# KiCad board TPS.kicad_pcb
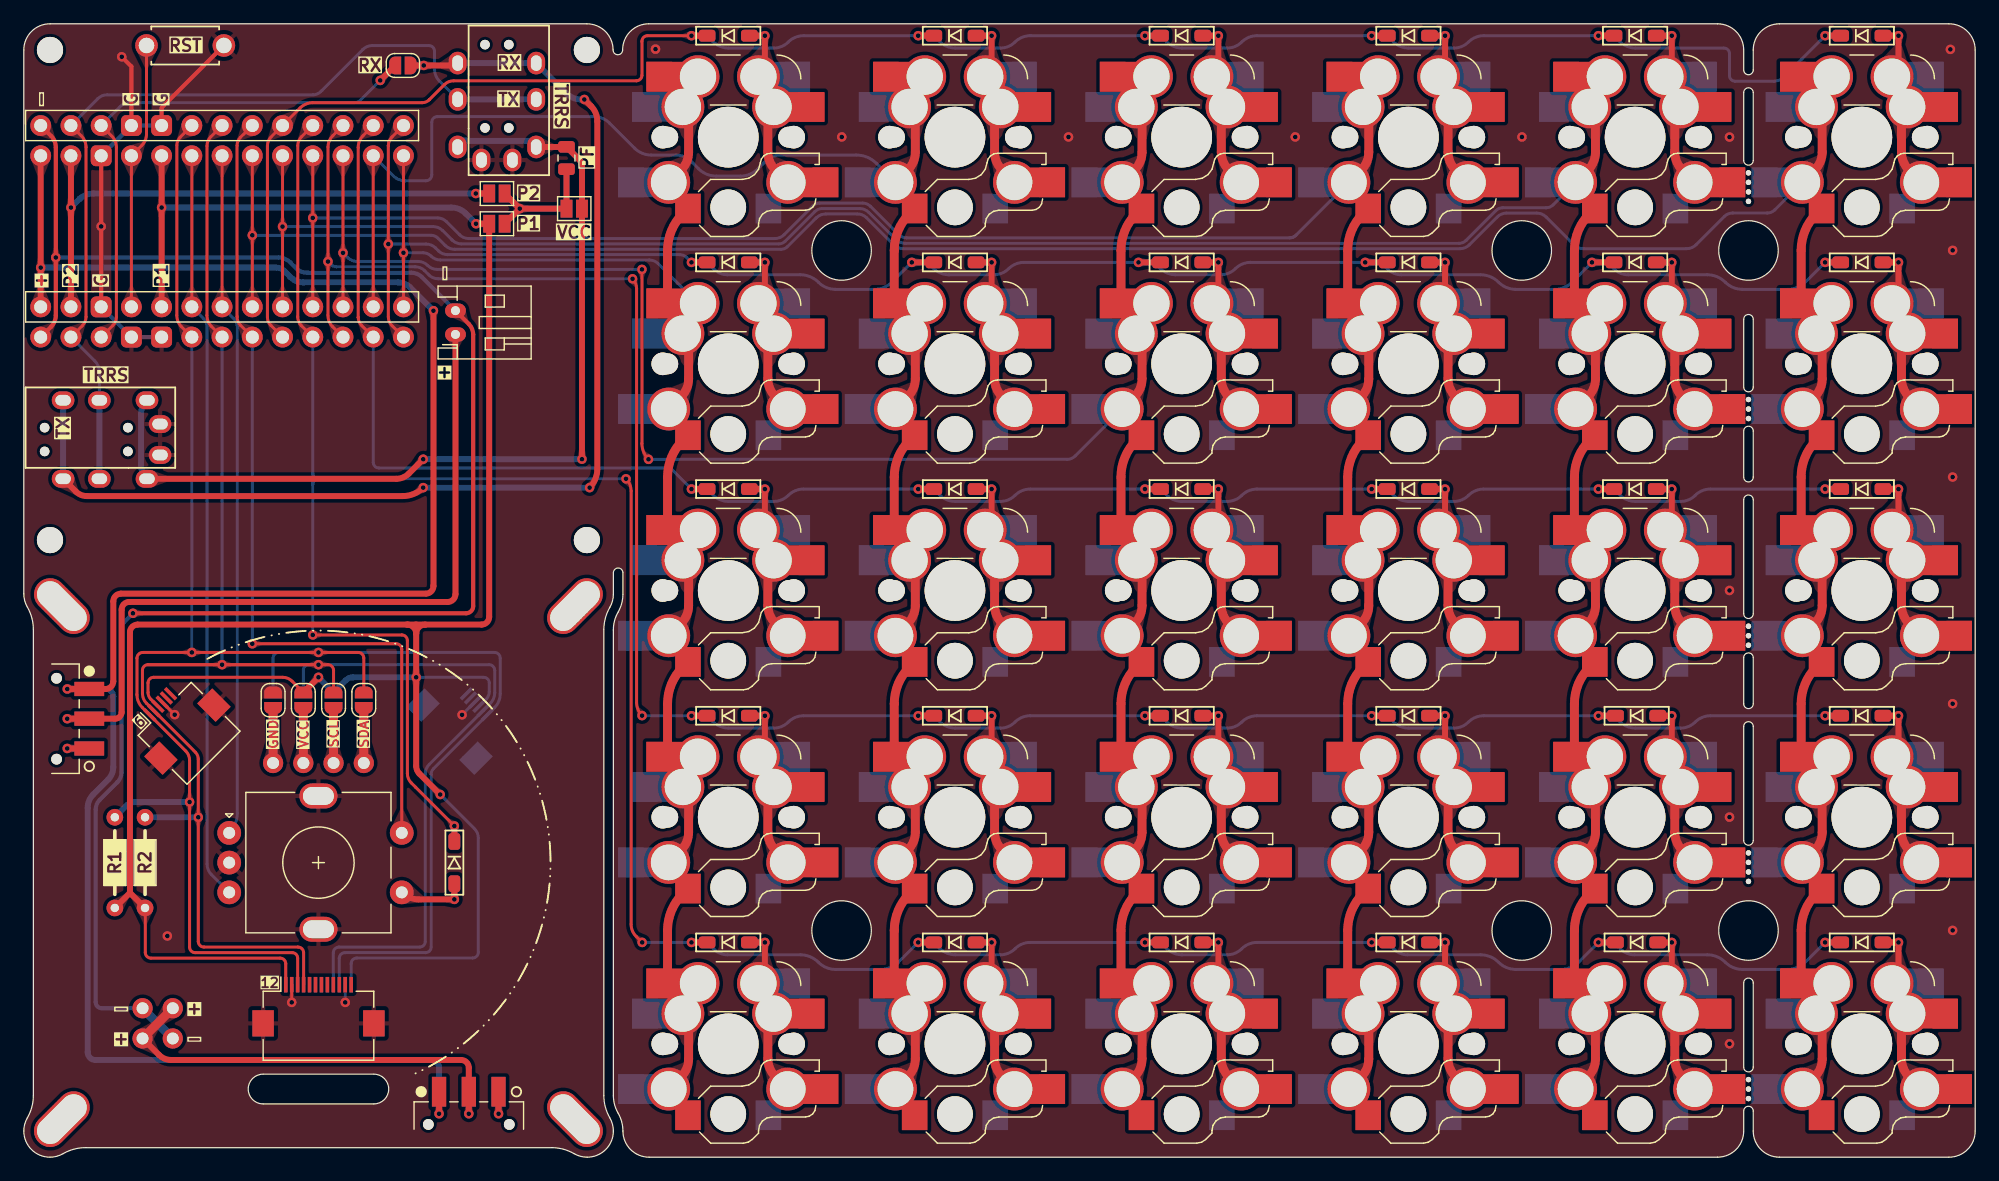
[diagram p0: board, top side]
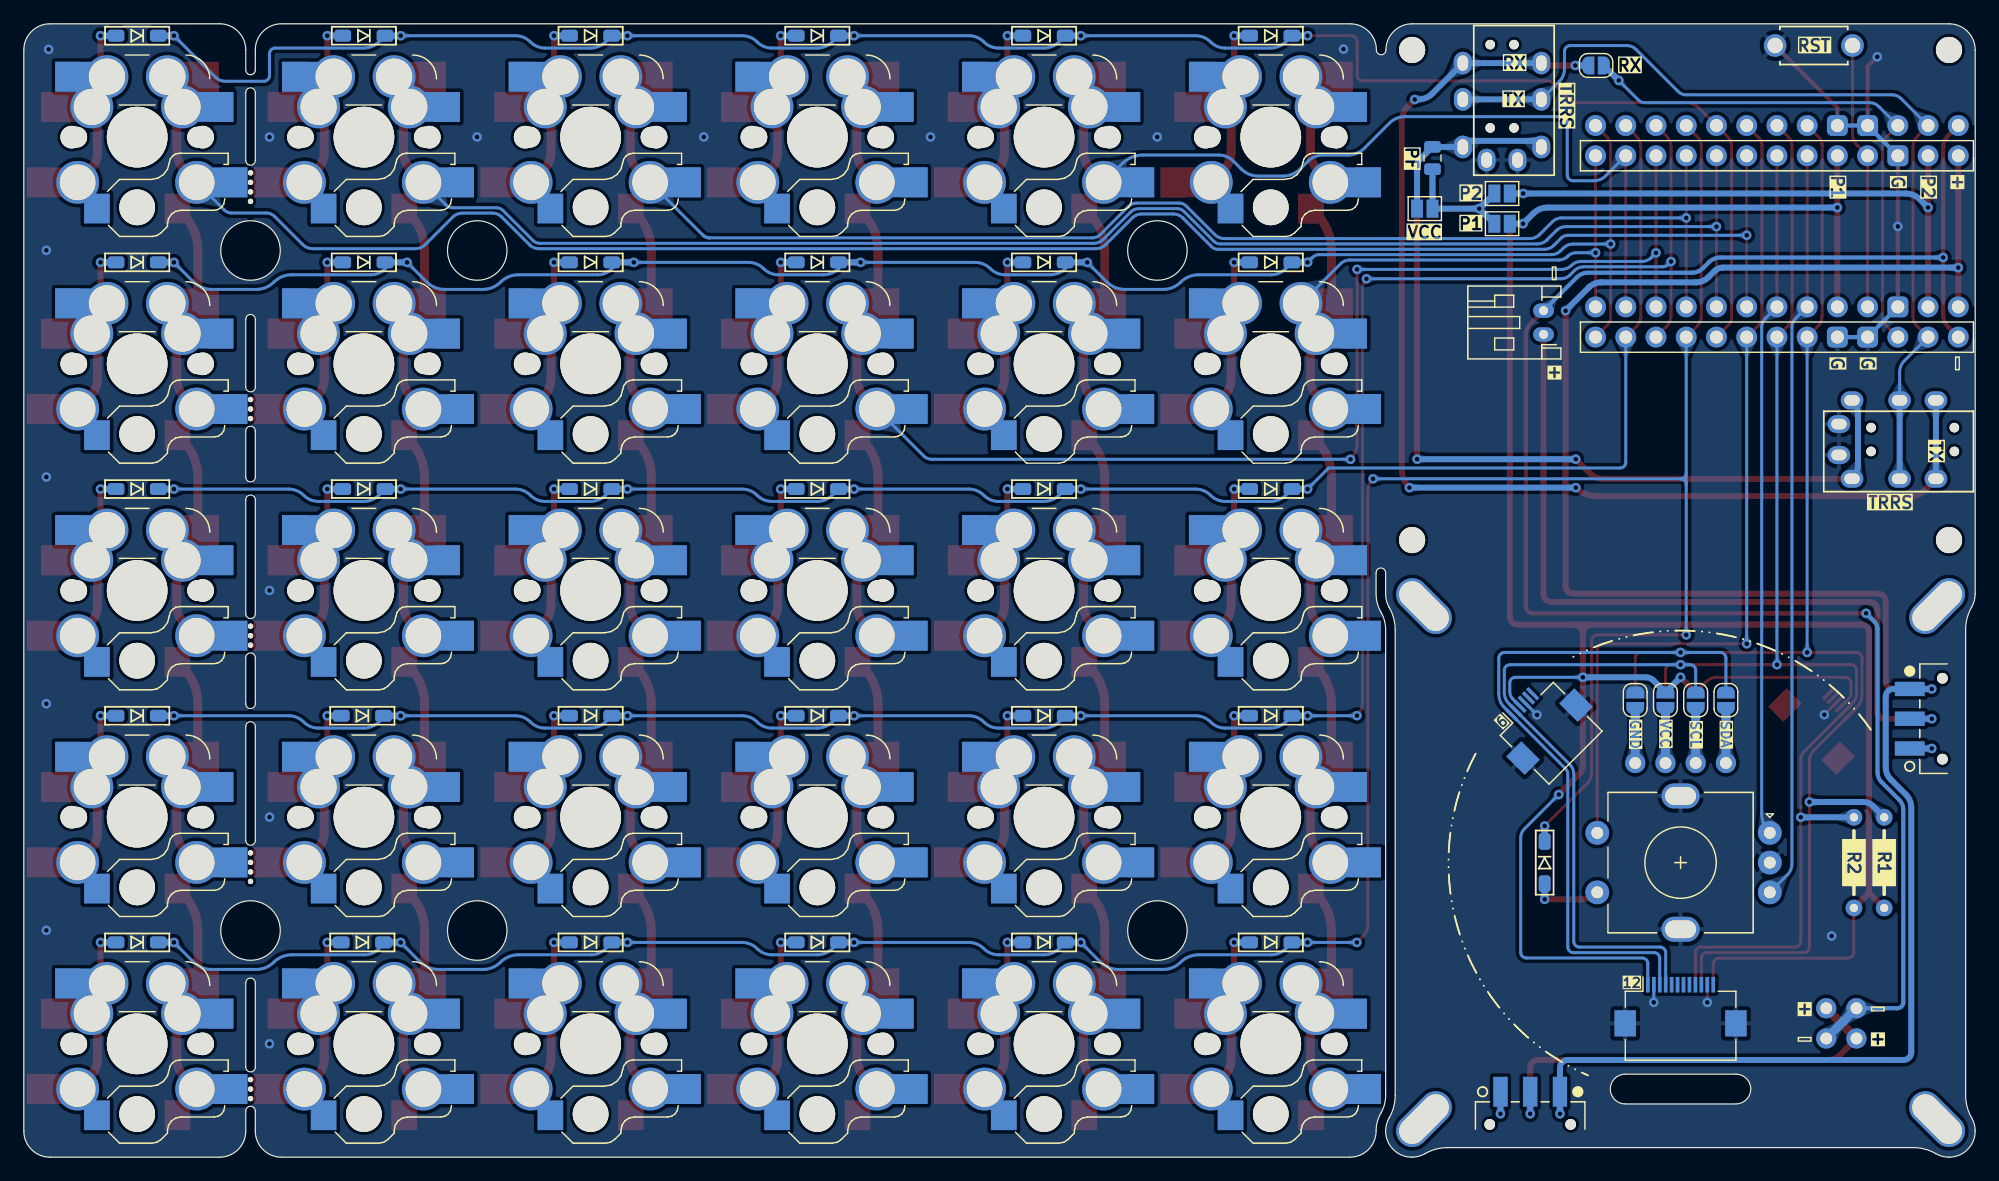
[diagram p1: board, bottom side, seen from below]

Outline 163.96 x 95.25 mm; copper layers: Top, Bottom. Coordinates in mm from the lower left corner of the outline.
Outline path: circle c68.71,76.2 r2.5 ; circle c68.71,19.05 r2.5 ; circle c125.86,76.2 r2.5 ; circle c125.86,19.05 r2.5 ; circle c144.91,76.2 r2.5 ; circle c144.91,19.05 r2.5 ; 0,93.05 0,47.34 arc(0.07,46.77) 0.29,46.24 arc(0.67,45.32) 0.8,44.34 0.8,5.2 arc(0.67,4.22) 0.29,3.3 arc(0.07,2.77) 0,2.2 arc(0.64,0.64) 2.2,0 arc(2.77,0.07) 3.3,0.29 arc(4.22,0.67) 5.2,0.8 44.34,0.8 arc(45.32,0.67) 46.24,0.29 arc(46.77,0.07) 47.34,0 arc(48.89,0.64) 49.54,2.2 arc(49.46,2.77) 49.24,3.3 arc(48.87,4.22) 48.74,5.2 48.74,44.32 arc(48.87,45.3) 49.24,46.21 arc(49.46,46.74) 49.54,47.31 49.54,49.11 arc(49.94,49.51) 50.34,49.11 50.34,47.31 arc(50.24,46.54) 49.94,45.81 arc(49.64,45.09) 49.54,44.32 49.54,5.2 arc(49.64,4.42) 49.94,3.7 arc(50.24,2.98) 50.34,2.2 arc(50.98,0.64) 52.54,0 142.31,0 arc(143.87,0.64) 144.51,2.2 144.51,3.88 arc(144.91,4.28) 145.31,3.88 145.31,2.2 arc(145.96,0.64) 147.51,0 161.76,0 arc(163.32,0.64) 163.96,2.2 163.96,93.05 arc(163.32,94.61) 161.76,95.25 147.51,95.25 arc(145.96,94.61) 145.31,93.05 145.31,91.37 arc(144.91,90.97) 144.51,91.37 144.51,93.05 arc(143.87,94.61) 142.31,95.25 52.51,95.25 arc(50.96,94.61) 50.31,93.05 arc(49.91,92.65) 49.51,93.05 arc(48.87,94.61) 47.31,95.25 2.2,95.25 arc(0.64,94.61) 0,93.05 ; 20.11,6.98 29.41,6.98 arc(30.66,5.73) 29.41,4.48 20.11,4.48 arc(18.86,5.73) 20.11,6.98 ; 144.51,89.47 144.51,83.77 arc(144.91,83.37) 145.31,83.77 145.31,89.47 arc(144.91,89.87) 144.51,89.47 ; 144.51,70.42 144.51,64.72 arc(144.91,64.32) 145.31,64.72 145.31,70.42 arc(144.91,70.82) 144.51,70.42 ; 144.51,61.03 144.51,57.15 arc(144.91,56.75) 145.31,57.15 145.31,61.03 arc(144.91,61.43) 144.51,61.03 ; 144.51,55.25 144.51,45.67 arc(144.91,45.27) 145.31,45.67 145.31,55.25 arc(144.91,55.65) 144.51,55.25 ; 144.51,41.98 144.51,38.1 arc(144.91,37.7) 145.31,38.1 145.31,41.98 arc(144.91,42.38) 144.51,41.98 ; 144.51,36.2 144.51,26.62 arc(144.91,26.22) 145.31,26.62 145.31,36.2 arc(144.91,36.6) 144.51,36.2 ; 144.51,14.65 144.51,7.57 arc(144.91,7.17) 145.31,7.57 145.31,14.65 arc(144.91,15.05) 144.51,14.65
Stack: Top 0.035mm / dielectric 1.51mm FR4 er 4.5 / Bottom 0.035mm

## Placement (name value [footprint] x y rotation side)
D1  1N4148_SMD  [D_SOD-123_handsolder_dual]  59.19 94.25 0 top
D2  1N4148_SMD  [D_SOD-123_handsolder_dual]  59.19 75.2 0 top
D3  1N4148_SMD  [D_SOD-123_handsolder_dual]  59.19 56.15 0 top
D4  1N4148_SMD  [D_SOD-123_handsolder_dual]  59.19 37.1 0 top
D5  1N4148_SMD  [D_SOD-123_handsolder_dual]  59.19 18.05 0 top
D6  1N4148_SMD  [D_SOD-123_handsolder_dual]  78.24 94.25 0 top
D7  1N4148_SMD  [D_SOD-123_handsolder_dual]  78.24 75.2 0 top
D8  1N4148_SMD  [D_SOD-123_handsolder_dual]  78.24 56.15 0 top
D9  1N4148_SMD  [D_SOD-123_handsolder_dual]  78.24 37.1 0 top
D10  1N4148_SMD  [D_SOD-123_handsolder_dual]  78.24 18.05 0 top
D11  1N4148_SMD  [D_SOD-123_handsolder_dual]  97.29 94.25 0 top
D12  1N4148_SMD  [D_SOD-123_handsolder_dual]  97.29 75.2 0 top
D13  1N4148_SMD  [D_SOD-123_handsolder_dual]  97.29 56.15 0 top
D14  1N4148_SMD  [D_SOD-123_handsolder_dual]  97.29 37.1 0 top
D15  1N4148_SMD  [D_SOD-123_handsolder_dual]  97.29 18.05 0 top
D16  1N4148_SMD  [D_SOD-123_handsolder_dual]  116.34 94.25 0 top
D17  1N4148_SMD  [D_SOD-123_handsolder_dual]  116.34 75.2 0 top
D18  1N4148_SMD  [D_SOD-123_handsolder_dual]  116.34 56.15 0 top
D19  1N4148_SMD  [D_SOD-123_handsolder_dual]  116.34 37.1 0 top
D20  1N4148_SMD  [D_SOD-123_handsolder_dual]  116.34 18.05 0 top
D21  1N4148_SMD  [D_SOD-123_handsolder_dual]  135.39 94.25 0 top
D22  1N4148_SMD  [D_SOD-123_handsolder_dual]  135.39 75.2 0 top
D23  1N4148_SMD  [D_SOD-123_handsolder_dual]  135.39 56.15 0 top
D24  1N4148_SMD  [D_SOD-123_handsolder_dual]  135.52 37.1 0 top
D25  1N4148_SMD  [D_SOD-123_handsolder_dual]  36.18 24.76 270 top
D26  1N4148_SMD  [D_SOD-123_handsolder_dual]  135.52 18.05 0 top
D27  1N4148_SMD  [D_SOD-123_handsolder_dual]  154.44 94.25 0 top
D28  1N4148_SMD  [D_SOD-123_handsolder_dual]  154.44 75.2 0 top
D29  1N4148_SMD  [D_SOD-123_handsolder_dual]  154.44 56.15 0 top
D30  1N4148_SMD  [D_SOD-123_handsolder_dual]  154.44 37.1 0 top
D31  1N4148_SMD  [D_SOD-123_handsolder_dual]  154.44 18.05 0 top
F1  6V, 500mA  [Fuse_0805_2012Metric]  45.6 83.97 90 bottom
F2  6V, 500mA  [Fuse_0805_2012Metric]  45.6 83.97 90 top
H1  TPS43  [Azoteq_TPS43_201A_S]  24.76 24.76 0 top
H2  M2  [MountingHole_2.2mm_M2#2]  2.2 51.86 0 top
H3  M2  [MountingHole_2.2mm_M2#2]  47.31 51.86 0 top
H5  TM040040  [Trackpad_Cirque_TM040040]  24.76 24.76 270 top
H6  M2  [MountingHole_2.2mm_M2#2]  2.2 93.05 0 top
H7  M2  [MountingHole_2.2mm_M2#2]  47.31 93.05 0 top
H8  M2  [MountingHole_2.2mm_M2]  3.2 46.31 135 top
H9  M2  [MountingHole_2.2mm_M2]  3.2 3.2 225 top
H10  M2  [MountingHole_2.2mm_M2]  46.31 46.31 45 top
H11  M2  [MountingHole_2.2mm_M2]  46.31 3.2 135 top
H14  edge  [Breakaway_Tabs_2#2]  144.91 62.88 90 top
H15  edge  [Breakaway_Tabs_2#2]  144.91 43.83 90 top
H16  edge  [Breakaway_Tabs_2]  144.91 24.78 90 top
H16#2  edge  [Breakaway_Tabs_2]  144.91 81.92 90 top
H17  edge  [Breakaway_Tabs_2#2]  144.91 5.72 90 top
J1  I2C  [PinHeader_1x04_P2.54mm_Vertical]  28.57 33.13 270 top
J2  FFC-0.5mm, 12p  [Hirose_FH12-12S-0.5SH_1x12-1MP_P0.50mm_Horizontal]  24.76 12.65 0 top
J3  FFC-0.5mm, 12p  [Hirose_FH12-12S-0.5SH_1x12-1MP_P0.50mm_Horizontal]  24.76 12.65 180 bottom
J4  PH2.0-2pin  [JST_PH_S2B-PH-K_1x02_P2.00mm_Horizontal_dual]  36.27 69.15 90 top
J5  FFC-0.5mm, 6p  [Hirose_FH12-6S-0.5SH_1x06-1MP_P0.50mm_Horizontal]  12.76 36.76 45 top
J6  FFC-0.5mm, 6p  [Hirose_FH12-6S-0.5SH_1x06-1MP_P0.50mm_Horizontal]  36.76 36.76 135 bottom
J7  ~  [PinHeader_1x02_P2.54mm_Vertical]  9.98 9.98 90 top
J8  ~  [PinHeader_1x02_P2.54mm_Vertical]  9.98 12.52 90 top
J9  AudioJack4  [TRRS-PJ-320A, dual side x2]  0.15 60.31 90 top
J10  AudioJack4  [TRRS-PJ-320A, dual side x2_3rd]  39.75 95.1 0 top
JP1  PWR1  [SolderJumper-2_P1.3mm_Open_Pad1.0x1.5mm]  39.75 78.45 180 top
JP2  PWR1  [SolderJumper-2_P1.3mm_Open_Pad1.0x1.5mm]  39.75 80.99 180 top
JP3  PWR1  [SolderJumper-2_P1.3mm_Open_Pad1.0x1.5mm]  39.75 78.45 180 bottom
JP4  PWR1  [SolderJumper-2_P1.3mm_Open_Pad1.0x1.5mm]  39.75 80.99 180 bottom
JP5  PWR1  [SolderJumper-2_P1.3mm_Open_RoundedPad1.0x1.5mm]  28.57 38.41 90 top
JP6  PWR1  [SolderJumper-2_P1.3mm_Open_RoundedPad1.0x1.5mm]  26.03 38.41 90 top
JP7  PWR1  [SolderJumper-2_P1.3mm_Open_RoundedPad1.0x1.5mm]  23.49 38.41 90 top
JP8  PWR1  [SolderJumper-2_P1.3mm_Open_RoundedPad1.0x1.5mm]  20.95 38.41 90 top
JP9  PWR1  [SolderJumper-2_P1.3mm_Open_RoundedPad1.0x1.5mm]  28.57 38.41 90 bottom
JP10  PWR1  [SolderJumper-2_P1.3mm_Open_RoundedPad1.0x1.5mm]  26.03 38.41 90 bottom
JP11  PWR1  [SolderJumper-2_P1.3mm_Open_RoundedPad1.0x1.5mm]  23.49 38.41 90 bottom
JP12  PWR1  [SolderJumper-2_P1.3mm_Open_RoundedPad1.0x1.5mm]  20.95 38.41 90 bottom
JP13  RX  [SolderJumper-2_P1.3mm_Open_RoundedPad1.0x1.5mm]  31.86 91.75 0 top
JP14  RX  [SolderJumper-2_P1.3mm_Open_RoundedPad1.0x1.5mm]  31.86 91.75 0 bottom
JP15  VCC  [SolderJumper-2_P1.3mm_Open_Pad1.0x1.5mm]  46.25 79.72 0 top
JP16  VCC  [SolderJumper-2_P1.3mm_Open_Pad1.0x1.5mm]  46.25 79.72 0 bottom
K1  SW_Push  [SW_Hotswap_KLP12_GLP3.0_MX_Plated_1.00u_Dualside]  59.19 85.72 0 top
K2  SW_Push  [SW_Hotswap_KLP12_GLP3.0_MX_Plated_1.00u_Dualside]  59.19 66.67 0 top
K3  SW_Push  [SW_Hotswap_KLP12_GLP3.0_MX_Plated_1.00u_Dualside]  59.19 47.62 0 top
K4  SW_Push  [SW_Hotswap_KLP12_GLP3.0_MX_Plated_1.00u_Dualside]  59.19 28.58 0 top
K5  SW_Push  [SW_Hotswap_KLP12_GLP3.0_MX_Plated_1.00u_Dualside]  59.19 9.53 0 top
K6  SW_Push  [SW_Hotswap_KLP12_GLP3.0_MX_Plated_1.00u_Dualside]  78.24 85.72 0 top
K7  SW_Push  [SW_Hotswap_KLP12_GLP3.0_MX_Plated_1.00u_Dualside]  78.24 66.67 0 top
K8  SW_Push  [SW_Hotswap_KLP12_GLP3.0_MX_Plated_1.00u_Dualside]  78.24 47.62 0 top
K9  SW_Push  [SW_Hotswap_KLP12_GLP3.0_MX_Plated_1.00u_Dualside]  78.24 28.58 0 top
K10  SW_Push  [SW_Hotswap_KLP12_GLP3.0_MX_Plated_1.00u_Dualside]  78.24 9.53 0 top
K11  SW_Push  [SW_Hotswap_KLP12_GLP3.0_MX_Plated_1.00u_Dualside]  97.29 85.72 0 top
K12  SW_Push  [SW_Hotswap_KLP12_GLP3.0_MX_Plated_1.00u_Dualside]  97.29 66.67 0 top
K13  SW_Push  [SW_Hotswap_KLP12_GLP3.0_MX_Plated_1.00u_Dualside]  97.29 47.62 0 top
K14  SW_Push  [SW_Hotswap_KLP12_GLP3.0_MX_Plated_1.00u_Dualside]  97.29 28.58 0 top
K15  SW_Push  [SW_Hotswap_KLP12_GLP3.0_MX_Plated_1.00u_Dualside]  97.29 9.53 0 top
K16  SW_Push  [SW_Hotswap_KLP12_GLP3.0_MX_Plated_1.00u_Dualside]  116.34 85.72 0 top
K17  SW_Push  [SW_Hotswap_KLP12_GLP3.0_MX_Plated_1.00u_Dualside]  116.34 66.67 0 top
K18  SW_Push  [SW_Hotswap_KLP12_GLP3.0_MX_Plated_1.00u_Dualside]  116.34 47.62 0 top
K19  SW_Push  [SW_Hotswap_KLP12_GLP3.0_MX_Plated_1.00u_Dualside]  116.34 28.58 0 top
K20  SW_Push  [SW_Hotswap_KLP12_GLP3.0_MX_Plated_1.00u_Dualside]  116.34 9.53 0 top
K21  SW_Push  [SW_Hotswap_KLP12_GLP3.0_MX_Plated_1.00u_Dualside]  135.39 85.72 0 top
K22  SW_Push  [SW_Hotswap_KLP12_GLP3.0_MX_Plated_1.00u_Dualside]  135.39 66.67 0 top
K23  SW_Push  [SW_Hotswap_KLP12_GLP3.0_MX_Plated_1.00u_Dualside]  135.39 47.62 0 top
K24  SW_Push  [SW_Hotswap_KLP12_GLP3.0_MX_Plated_1.00u_Dualside]  135.39 28.58 0 top
K25  EC-11  [RotaryEncoder_EC11]  24.76 24.76 0 top
K26  SW_Push  [SW_Hotswap_KLP12_GLP3.0_MX_Plated_1.00u_Dualside]  135.39 9.53 0 top
K27  SW_Push  [SW_Hotswap_KLP12_GLP3.0_MX_Plated_1.00u_Dualside]  154.44 85.72 0 top
K28  SW_Push  [SW_Hotswap_KLP12_GLP3.0_MX_Plated_1.00u_Dualside]  154.44 66.67 0 top
K29  SW_Push  [SW_Hotswap_KLP12_GLP3.0_MX_Plated_1.00u_Dualside]  154.44 47.62 0 top
K30  SW_Push  [SW_Hotswap_KLP12_GLP3.0_MX_Plated_1.00u_Dualside]  154.44 28.58 0 top
K31  SW_Push  [SW_Hotswap_KLP12_GLP3.0_MX_Plated_1.00u_Dualside]  154.44 9.53 0 top
R1  4.7k  [R_Axial_DIN0204_L3.6mm_D1.6mm_P7.62mm_Horizontal]  7.65 20.95 90 top
R2  4.7k  [R_Axial_DIN0204_L3.6mm_D1.6mm_P7.62mm_Horizontal]  10.19 20.95 90 top
SW1  SW_Push  [ResetSW_1side]  13.56 93.43 0 top
SW2  MSKT-12D14  [SW_SPDT_MSKT-12D14_SMD_dual]  2.75 36.85 270 top
SW3  MSKT-12D14  [SW_SPDT_MSKT-12D14_SMD_dual]  37.39 2.75 0 top
U1  MCU_ProMicro_13p  [MCU_ProMicro_13p_dual]  17.15 77.81 270 bottom

## Library data of the parts
F1 F2 = -: Description: Resettable fuse, polymeric positive temperature coefficient; Note: PF; ki_fp_filters: *polyfuse* *PTC*
H1-H3 H5-H11 = -: ki_fp_filters: MountingHole*
H14-H16 H16#2 H17 = -: Description: Mounting Hole without connection
J1 = -: ki_fp_filters: Connector*:*_1x??_*
J2 J3 = -: Description: Generic connector, single row, 01x13, script generated; Pin1: 12; ki_fp_filters: Connector*:*_1x??_*
J4 J7 J8 = -: Description: Generic connector, single row, 01x02, script generated; ki_fp_filters: Connector*:*_1x??_*
J5 J6 = -: Description: Generic connector, single row, 01x07, script generated; Pin: 6; ki_fp_filters: Connector*:*_1x??_*
J9 = -: Description: Audio Jack, 4 Poles (TRRS); Text2: TX; Text1: TX; ki_fp_filters: Jack*
J10 = -: Description: Audio Jack, 4 Poles (TRRS); Text2: TX; Text1: TX; Text3: RX; Text4: RX; ki_fp_filters: Jack*
JP1-JP16 = -: ki_fp_filters: SolderJumper*Open*
R1 R2 = -: ki_fp_filters: R_*
SW2 SW3 = -: Description: Switch, single pole double throw

## Footprints (pads in the part's own frame, mm; a bottom-side part is the same pattern mirrored in y, then rotated)
Breakaway_Tabs_2
  round 0.45 hole 0.45 unplated: (-1.6,0) (-0.8,0) (0,0) (0.8,0)
Breakaway_Tabs_2#2
  round 0.45 hole 0.45 unplated: (-0.8,0) (0,0) (0.8,0)
D_SOD-123_handsolder_dual
  rrect 1.4x1 smd: 1(-1.775,0) 2(1.775,0)
  rrect 1.4x1 smd far side: 1(-1.775,0) 2(1.775,0)
Fuse_0805_2012Metric
  rrect 0.975x1.4 smd: 1(-0.938,0) 2(0.938,0)
Hirose_FH12-6S-0.5SH_1x06-1MP_P0.50mm_Horizontal
  rect 0.3x1.3 smd: 1(-1.25,1.85) 2(-0.75,1.85) 3(-0.25,1.85) 4(0.25,1.85) 5(0.75,1.85) 6(1.25,1.85)
  rect 1.8x2.2 smd: 7(-3.15,-1.4) 7(3.15,-1.4)
Hirose_FH12-12S-0.5SH_1x12-1MP_P0.50mm_Horizontal
  rect 0.3x1.3 smd: 1(-2.75,1.85) 2(-2.25,1.85) 3(-1.75,1.85) 4(-1.25,1.85) 5(-0.75,1.85) 6(-0.25,1.85) 7(0.25,1.85) 8(0.75,1.85) 9(1.25,1.85) 10(1.75,1.85) 11(2.25,1.85) 12(2.75,1.85)
  rect 1.8x2.2 smd: 13(-4.65,-1.4) 13(4.65,-1.4)
JST_PH_S2B-PH-K_1x02_P2.00mm_Horizontal_dual
  oval 1.2x1.75 hole 0.75: 1(0,0) 2(2,0)
MCU_ProMicro_13p_dual
  round 1.753 hole 1.092: 1(-8.89,15.73) 1(8.89,15.73) 2(-8.89,13.19) 2(8.89,13.19) 3(-8.89,10.65) 3(8.89,10.65) 6(-8.89,3.03) 6(8.89,3.03) 7(-8.89,0.49) 7(8.89,0.49) 8(-8.89,-2.05) 8(8.89,-2.05) 9(-8.89,-4.59) 9(8.89,-4.59) 10(-8.89,-7.13) 10(8.89,-7.13) 11(-8.89,-9.67) 11(8.89,-9.67) 12(-8.89,-12.21) 12(8.89,-12.21) 13(-8.89,-14.75) 13(8.89,-14.75) 14(-6.35,-14.75) 14(6.35,-14.75) 15(-6.35,-12.21) 15(6.35,-12.21) 16(-6.35,-9.67) 16(6.35,-9.67) 17(-6.35,-7.13) 17(6.35,-7.13) 18(-6.35,-4.59) 18(6.35,-4.59) 19(-6.35,-2.05) 19(6.35,-2.05) 20(-6.35,0.49) 20(6.35,0.49) 21(-6.35,3.03) 21(6.35,3.03) 22(-6.35,5.57) 22(6.35,5.57) 23(-6.35,8.11) 23(6.35,8.11) 25(-6.35,13.19) 25(6.35,13.19) 26(-6.35,15.73) 26(6.35,15.73)
  rrect 1.753x1.753 hole 1.092: 4(-8.89,8.11) 4(8.89,8.11) 5(-8.89,5.57) 5(8.89,5.57) 24(-6.35,10.65) 24(6.35,10.65)
MountingHole_2.2mm_M2
  oval 5.5x2.7 hole 5x2.2: (0,0)
MountingHole_2.2mm_M2#2
  round 2.2 hole 2.2 unplated: (0,0)
PinHeader_1x02_P2.54mm_Vertical
  round 1.7 hole 1: 1(0,0)
  oval 1.7x1.7 hole 1: 2(0,-2.54)
PinHeader_1x04_P2.54mm_Vertical
  round 1.7 hole 1: 1(0,0)
  oval 1.7x1.7 hole 1: 2(0,-2.54) 3(0,-5.08) 4(0,-7.62)
R_Axial_DIN0204_L3.6mm_D1.6mm_P7.62mm_Horizontal
  round 1.4 hole 0.7: 1(0,0)
  oval 1.4x1.4 hole 0.7: 2(7.62,0)
ResetSW_1side
  round 1.9 hole 1.3: 1(3.25,0) 2(-3.25,0)
RotaryEncoder_EC11
  round 2 hole 1: A(-7.5,2.5) B(-7.5,-2.5) C(-7.5,0) S1(7,2.5) S2(7,-2.5)
  oval 3.2x2.1 hole 2.6x1.5: C(0,5.6) C(0,-5.6)
SolderJumper-2_P1.3mm_Open_Pad1.0x1.5mm
  rect 1x1.5 smd: 1(-0.65,0) 2(0.65,0)
SolderJumper-2_P1.3mm_Open_RoundedPad1.0x1.5mm
  custom 1x1.5 smd: 1(-0.65,0) 2(0.65,0)
SW_Hotswap_KLP12_GLP3.0_MX_Plated_1.00u_Dualside
  round 1.9 hole 1.9 unplated: (-5.5,0) (5.5,0)
  round 1.75 hole 1.75 unplated: (-5.08,0) (5.08,0)
  round 5.1 hole 5.1 unplated: (0,0)
  round 3 hole 3 unplated: (0,-5.9)
  trapezoid 2.159x2.5 smd far side: 1(-8.171,-3.8) 1(-6.997,2.54) 2(3.381,-6) 2(5.796,5.08)
  trapezoid 3.85x2.5 smd far side: 1(-7.325,-3.8)
  trapezoid 3.55x2.5 smd far side: 1(-6.301,2.54) 2(5.1,5.08)
  trapezoid 2.159x2.5 smd: 1(-5.796,5.08) 1(-3.381,-6) 2(6.997,2.54) 2(8.171,-3.8)
  trapezoid 3.55x2.5 smd: 1(-5.1,5.08) 2(6.301,2.54)
  round 3.6 hole 3: 1(-5,-3.8) 2(5,-3.8)
  round 3.6 hole 3.05: 1(-3.81,2.54) 1(-2.54,5.08) 2(2.54,5.08) 2(3.81,2.54)
  trapezoid 3.85x2.5 smd: 2(7.325,-3.8)
SW_SPDT_MSKT-12D14_SMD_dual
  round 0.9 hole 0.9 unplated: (-3.4,0) (3.4,0)
  trapezoid 1.2x2.5 smd: 1(-2.5,2.75) 2(0,2.75) 3(2.5,2.75)
  trapezoid 1.2x2.5 smd far side: 1(-2.5,2.75) 2(0,2.75) 3(2.5,2.75)
TRRS-PJ-320A, dual side x2
  round 0.8 hole 0.8 unplated: (-1,-1.6) (-1,-8.6) (1,-1.6) (1,-8.6)
  oval 1.5x1.9 hole 0.9x1.3: R1(-3.3,-6.2) R1(3.3,-6.2) R2(-3.3,-3.152) R2(3.3,-3.152) S(-1.3,-11.3) S(1.3,-11.3) T(-3.3,-10.2) T(3.3,-10.2)
TRRS-PJ-320A, dual side x2_3rd
  round 0.8 hole 0.8 unplated: (-1,-1.6) (-1,-8.6) (1,-1.6) (1,-8.6)
  oval 1.5x1.9 hole 0.9x1.3: R1(-3.3,-6.2) R1(3.3,-6.2) R2(-3.3,-3.152) R2(3.3,-3.152) S(-1.3,-11.3) S(1.3,-11.3) T(-3.3,-10.2) T(3.3,-10.2)

## Nets
+3V3: J2.1 J3.1 J5.3 J6.3 JP1.2 JP3.2 JP7.2 JP10.2 R1.1 R2.1 U1.22
GND: J2.2 J2.13 J3.2 J3.13 J5.4 J5.7 J6.4 J6.7 J9.S J10.S JP8.2 JP9.2 K25.C SW1.1 U1.4 U1.5 U1.24
VCC: F1.1 F2.1 JP1.1 JP2.1 JP3.1 JP4.1 JP15.1 JP16.1
BAT+: SW2.1 SW3.1 U1.26
BAT-: J4.2 J7.2 J8.1 U1.1
col0: K27.1 K28.1 K29.1 K30.1 K31.1 U1.19
col1: K21.1 K22.1 K23.1 K24.1 K26.1 U1.18
col2: K16.1 K17.1 K18.1 K19.1 K20.1 U1.17
col3: K11.1 K12.1 K13.1 K14.1 K15.1 U1.16
col4: K6.1 K7.1 K8.1 K9.1 K10.1 U1.15
col5: K1.1 K2.1 K3.1 K4.1 K5.1 U1.14
col6: K25.S1 U1.8
N/A1: SW2.3
N/A2: SW3.3
RAW: JP2.2 JP4.2 U1.25
row0: D1.1 D6.1 D11.1 D16.1 D21.1 D27.1 U1.9
row1: D2.1 D7.1 D12.1 D17.1 D22.1 D28.1 U1.13
row2: D3.1 D8.1 D13.1 D18.1 D23.1 D29.1 U1.12
row3: D4.1 D9.1 D14.1 D19.1 D24.1 D30.1 U1.11
row4: D5.1 D10.1 D15.1 D20.1 D25.1 D26.1 D31.1 U1.10
RX: JP13.1 JP14.1 U1.3
SCL: J2.4 J3.4 J5.2 J6.2 JP6.2 JP11.2 R2.2 U1.7
SDA: J2.3 J3.3 J5.1 J6.1 JP5.2 JP12.2 R1.2 U1.6
TX: J9.R1 J10.R1 U1.2
X/A: K25.A U1.20
Y/B: K25.B U1.21
Net-(D1-Pad2): D1.2 K1.2
Net-(D2-Pad2): D2.2 K2.2
Net-(D3-Pad2): D3.2 K3.2
Net-(D4-Pad2): D4.2 K4.2
Net-(D5-Pad2): D5.2 K5.2
Net-(D6-Pad2): D6.2 K6.2
Net-(D7-Pad2): D7.2 K7.2
Net-(D8-Pad2): D8.2 K8.2
Net-(D9-Pad2): D9.2 K9.2
Net-(D10-Pad2): D10.2 K10.2
Net-(D11-Pad2): D11.2 K11.2
Net-(D12-Pad2): D12.2 K12.2
Net-(D13-Pad2): D13.2 K13.2
Net-(D14-Pad2): D14.2 K14.2
Net-(D15-Pad2): D15.2 K15.2
Net-(D16-Pad2): D16.2 K16.2
Net-(D17-Pad2): D17.2 K17.2
Net-(D18-Pad2): D18.2 K18.2
Net-(D19-Pad2): D19.2 K19.2
Net-(D20-Pad2): D20.2 K20.2
Net-(D21-Pad2): D21.2 K21.2
Net-(D22-Pad2): D22.2 K22.2
Net-(D23-Pad2): D23.2 K23.2
Net-(D24-Pad2): D24.2 K24.2
Net-(D25-Pad2): D25.2 K25.S2
Net-(D26-Pad2): D26.2 K26.2
Net-(D27-Pad2): D27.2 K27.2
Net-(D28-Pad2): D28.2 K28.2
Net-(D29-Pad2): D29.2 K29.2
Net-(D30-Pad2): D30.2 K30.2
Net-(D31-Pad2): D31.2 K31.2
Net-(J1-Pin_1): J1.1 JP5.1 JP9.1
Net-(J1-Pin_2): J1.2 JP6.1 JP10.1
Net-(J1-Pin_3): J1.3 JP7.1 JP11.1
Net-(J1-Pin_4): J1.4 JP8.1 JP12.1
Net-(J4-Pin_1): J4.1 SW2.2
Net-(J7-Pin_1): J7.1 J8.2 SW3.2
Net-(JP13-B): J9.R2 J10.R2 JP13.2 JP14.2
Net-(JP15-B): F1.2 F2.2 J9.T J10.T JP15.2 JP16.2
Net-(U1-RST): SW1.2 U1.23

Pads without a net: J2 5 6 7 8 9 10 11 12; J3 5 6 7 8 9 10 11 12; J5 5 6; J6 5 6

## Via types
v1: diameter 0.8, hole 0.4, Top to Bottom, 129 vias
